# Allegro board 1155000-zp-dic_pda_8ch_board_v002.brd (continued)
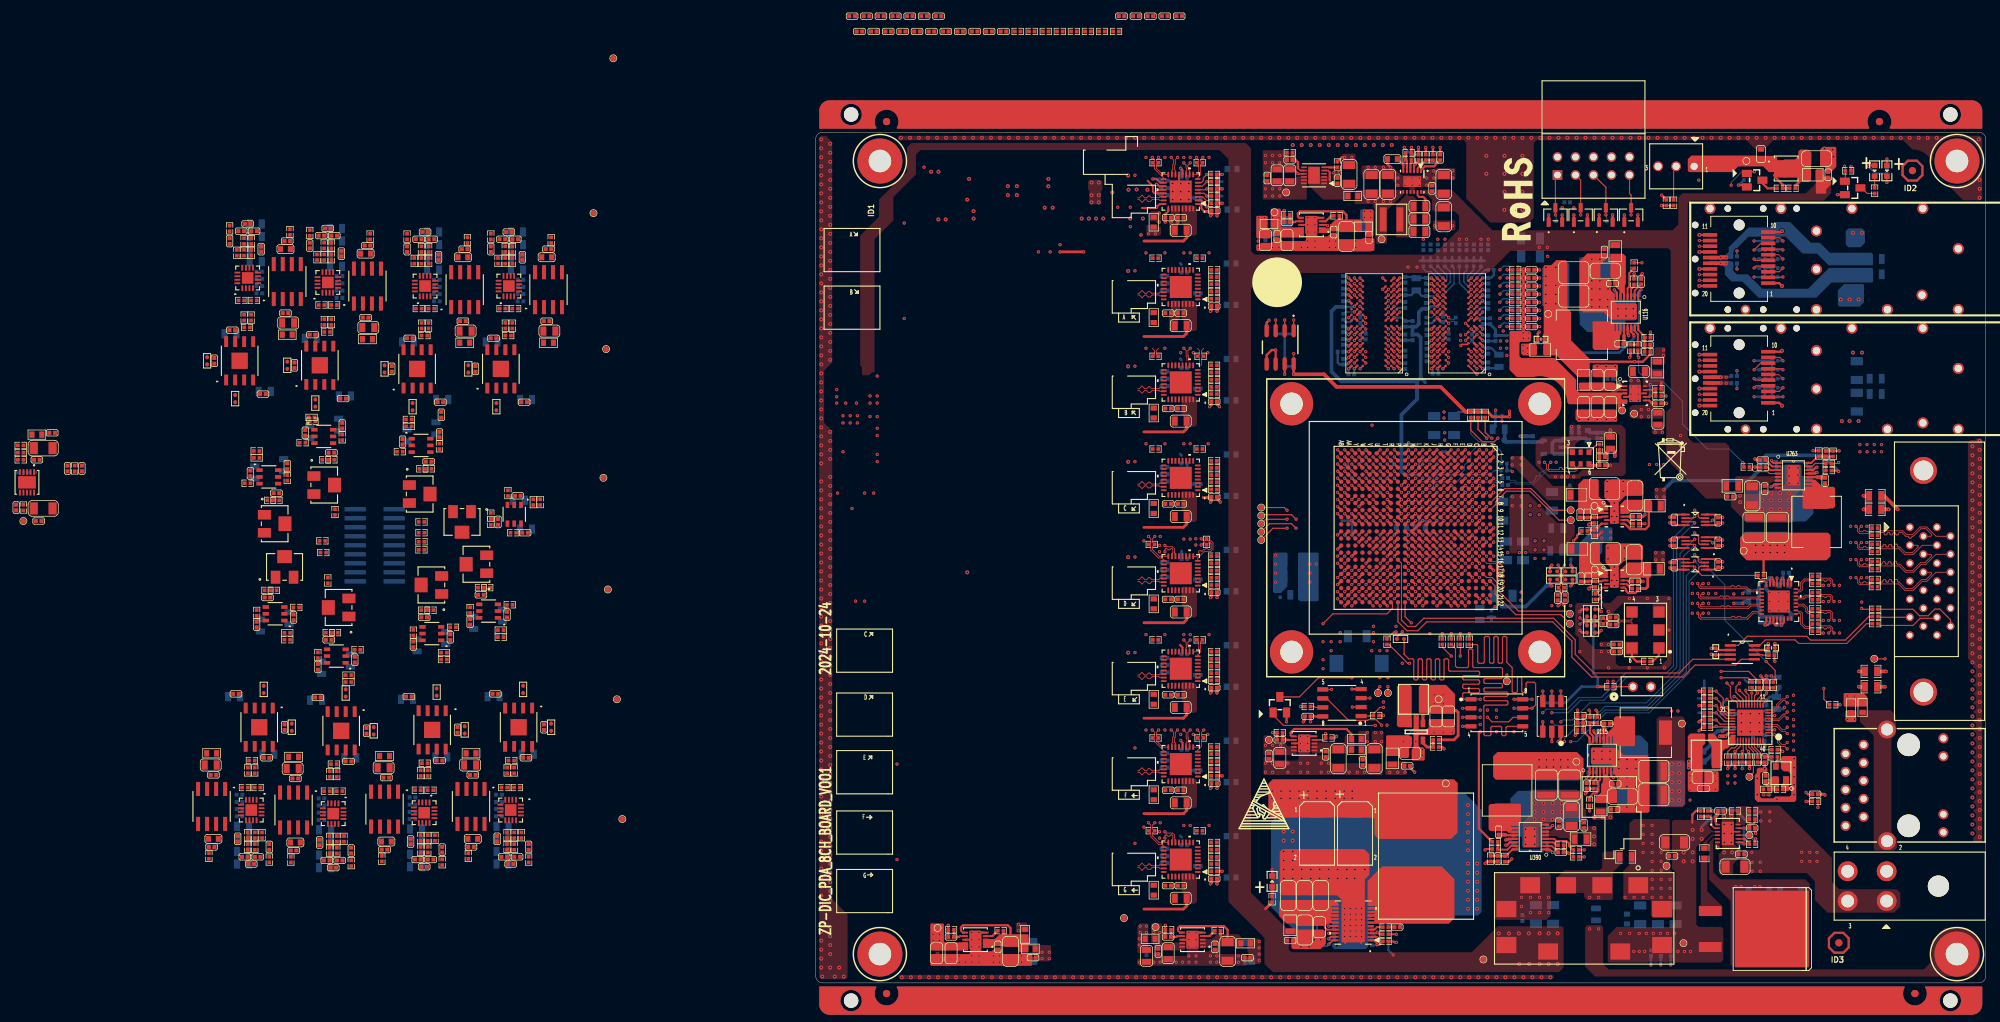
[diagram p0: board, top side]
## Routing (per net, layer and track width the routed paths; a pad name or vN(x,y) marks a point on that pad's centre or on a via; arc(x,y) is an arc through that point) (continued)
DDR3_A_D19: length 27.1
  TOP w0.203: U76.F8 v1(87.65,90.64) ; U1.R2 v1(80.6,74.19)
  ART08 w0.102: v1(87.65,90.64) 87.25,90.24 87.25,86.34
  ART08 w0.165: v1(80.6,74.19) 81.07,74.66 81.07,75.26 81.45,75.64 82.45,75.64 83.78,76.97 83.78,77.88 83.94,78.04 85.3,78.04 85.47,78.21 85.47,78.54 85.3,78.7 83.94,78.7 83.78,78.87 83.78,79.2 83.94,79.36 85.3,79.36 85.47,79.53 85.47,79.86 84.83,80.5 84.83,82.57 84.99,82.74 85.64,82.74 85.8,82.9 85.8,83.23 85.64,83.4 84.99,83.4 84.83,83.56 84.83,83.92 87.25,86.34
DDR3_A_D20: length 28
  TOP w0.203: U76.H3 v1(91.65,93.04) ; U1.P2 v1(81.6,74.19)
  ART08 w0.165: v1(81.6,74.19) 82.03,74.62 83.63,74.62 84.17,75.16 84.17,75.36 84.63,75.82 84.76,75.82 86.41,77.47 86.41,78.74 87.6,79.94 87.6,81.62 87.77,81.78 87.99,81.78 88.16,81.95 88.16,82.28 87.99,82.44 87.77,82.44 87.6,82.61 87.6,82.94 87.77,83.1 87.99,83.1 88.16,83.27 88.16,83.6 87.99,83.76 87.77,83.76 87.6,83.93 87.6,84.2 88.01,84.62 88.01,85.6 89.68,87.26 89.68,89.39 89.3,89.76 89.3,90.6 89.14,90.77 89.08,90.77 88.91,90.93 88.91,91.26 89.08,91.43 89.14,91.43 90.75,93.04 v1(91.65,93.04)
DDR3_A_D21: length 25.3
  TOP w0.203: U76.H8 v1(87.65,92.24) ; U1.U1 v1(79.6,75.19)
  ART08 w0.165: v1(79.6,75.19) 79.6,75.62 82.26,78.27 82.26,79.82 82.8,80.36 82.8,88.8 83.59,89.59 83.59,89.83 83.13,90.29 83.13,90.52 83.36,90.76 83.59,90.76 84.06,90.29 84.29,90.29 84.72,90.73 84.72,90.96 84.52,91.16 84.52,91.39 84.76,91.63 84.99,91.63 85.19,91.43 85.42,91.43 86.67,92.67 87.22,92.67 v1(87.65,92.24)
DDR3_A_D22: length 29.1
  TOP w0.203: U76.G2 v1(92.45,92.24) ; U1.R3 v1(80.6,73.19)
  ART08 w0.165: v1(80.6,73.19) 81.15,72.64 82.6,72.64 83.1,73.15 83.1,73.43 83.33,73.66 83.67,73.66 84.13,74.12 84.13,74.48 84.31,74.66 84.67,74.66 85.18,75.17 85.18,75.37 86.88,77.07 86.88,78.55 88.08,79.76 88.08,80.62 88.74,81.28 88.74,85.87 90,87.13 90,89.71 89.76,89.94 89.76,91.52 90.75,92.51 92.18,92.51 v1(92.45,92.24)
DDR3_A_D23: length 29.2
  TOP w0.203: U76.H7 v1(88.45,92.24) ; U1.T3 v1(79.6,73.19)
  ART08 w0.102: v1(88.45,92.24) 88.45,91.96 88.33,91.84 86.64,91.84
  ART08 w0.165: v1(79.6,73.19) 80.11,73.7 80.11,75.3 82.77,77.96 82.77,79.52 83.27,80.01 83.27,86.83 83.43,87 84.45,87 84.61,87.16 84.61,87.49 84.45,87.66 83.43,87.66 83.27,87.82 83.27,88.47 83.52,88.73 83.76,88.73 84.32,88.17 84.55,88.17 84.79,88.4 84.79,88.63 84.22,89.2 84.22,89.43 86.64,91.84
DDR3_A_D24: length 20.5
  TOP w0.203: U76.D7 v1(88.45,89.04) ; U1.N2 v1(83.6,74.19)
  ART03 w0.102: 88.05,86.43 88.05,87.75 88.15,87.85 88.75,87.85 88.85,87.95 88.85,88.16 88.75,88.26 88.15,88.26 88.05,88.36 88.05,88.64 v1(88.45,89.04)
  ART03 w0.165: 88.05,86.43 88.54,85.94 88.54,82.55 87.35,81.36 87.35,79.87 84.03,76.55 84.03,75.93 83.86,75.77 83.42,75.77 83.18,75.53 83.18,75.01 83.6,74.58 v1(83.6,74.19)
DDR3_A_D25: length 18.4
  TOP w0.203: U1.L1 v1(85.6,75.19) ; U76.C3 v1(92.45,88.24)
  ART03 w0.102: 92.38,87.01 92.41,87.04 92.61,87.04 92.85,87.27 92.85,88.14 92.75,88.24 v1(92.45,88.24)
  ART03 w0.165: 92.38,87.01 92.37,87.01 91.88,86.52 91.88,84.71 91.99,84.59 91.99,82.03 89.94,79.98 89.94,79.15 88.89,78.1 88.56,78.1 86.81,76.35 86.31,76.35 85.6,75.64 v1(85.6,75.19)
DDR3_A_D26: length 25.2
  TOP w0.203: U1.L5 v1(85.6,71.19) ; U76.C8 v1(87.65,88.24)
  ART03 w0.102: v1(87.65,88.24) 87.25,88.64 86.48,88.64
  ART03 w0.165: v1(85.6,71.19) 85.21,71.19 84.63,71.77 84.43,71.77 84.07,72.12 84.07,72.33 83.68,72.72 83.48,72.72 82.63,73.56 82.63,76.49 86.34,80.2 86.34,83.71 86.51,83.87 86.57,83.87 86.74,84.04 86.74,84.37 86.57,84.53 86.51,84.53 86.34,84.7 86.34,85.03 86.51,85.19 86.57,85.19 86.74,85.36 86.74,85.69 86.57,85.85 86.51,85.85 85.46,86.9 85.46,88.21 85.89,88.64 86.48,88.64
DDR3_A_D27: length 22.5
  TOP w0.203: U1.L3 v1(85.6,73.19) ; U76.C2 v1(93.25,88.24)
  ART03 w0.102: 92.8,86.75 93.08,87.04 93.41,87.04 93.65,87.27 93.65,87.61 93.25,88.01 v1(93.25,88.24)
  ART03 w0.165: v1(85.6,73.19) 86.1,73.69 86.1,75.41 86.77,76.07 87.47,76.07 88.49,77.09 89.81,77.09 90.55,77.83 90.55,79.92 92.46,81.83 92.46,82.63 92.62,82.8 92.76,82.8 92.92,82.96 92.92,83.29 92.76,83.46 92.62,83.46 92.46,83.62 92.46,83.95 92.62,84.12 92.77,84.12 92.93,84.28 92.93,84.61 92.77,84.78 92.62,84.78 92.46,84.94 92.46,85.1 92.35,85.22 92.35,86.54 92.56,86.75 92.8,86.75
DDR3_A_D28: length 22.4
  TOP w0.203: U76.A7 v1(88.45,86.64) ; U1.M3 v1(84.6,73.19)
  ART03 w0.165: v1(88.45,86.64) 88.45,86.88 88.61,87.05 88.9,87.05 89.2,86.74 89.58,86.74 89.79,86.95 90.02,86.95 90.19,86.78 90.19,86.04 90.02,85.87 89.58,85.87 89.42,85.71 89.42,85.38 89.58,85.21 90.07,85.21 90.23,85.05 90.23,84.49 89.96,84.22 89.96,82.67 89.8,82.51 89.14,82.51 88.97,82.34 88.97,82.02 89.07,81.92 89.07,81.64 88.91,81.48 88.67,81.48 88.52,81.63 88.28,81.63 88.05,81.4 88.05,81.17 88.22,81 88.22,80.76 87.82,80.36 87.82,79.68 84.5,76.36 84.5,75.82 84.03,75.34 84.03,74 84.6,73.43 v1(84.6,73.19)
DDR3_A_D29: length 20.2
  TOP w0.203: U76.A2 v1(93.25,86.64) ; U1.K1 v1(86.6,75.19)
  ART03 w0.165: v1(86.6,75.19) 86.6,75.53 86.77,75.69 87.9,75.69 88.36,76.16 89.56,76.16 91.02,77.61 91.02,78.14 91.18,78.3 91.32,78.3 91.49,78.47 91.49,78.8 91.32,78.96 91.18,78.96 91.02,79.13 91.02,79.46 91.42,79.86 91.42,80.12 91.75,80.46 92.02,80.46 92.35,80.79 92.35,81.06 92.69,81.39 92.95,81.39 93.39,81.83 93.39,82.73 93.56,82.9 93.93,82.9 94.09,83.06 94.09,83.39 93.93,83.56 93.56,83.56 93.39,83.72 93.39,84.05 93.56,84.22 93.93,84.22 94.09,84.38 94.09,84.71 93.93,84.88 93.56,84.88 92.82,85.62 92.82,86.21 v1(93.25,86.64)
DDR3_A_D30: length 21.7
  TOP w0.203: U76.B8 v1(87.65,87.44) ; U1.N3 v1(83.6,73.19)
  ART03 w0.102: 86.44,88.06 86.66,87.84 87.11,87.84 87.24,87.97 87.35,87.97 87.65,87.67 v1(87.65,87.44)
  ART03 w0.165: v1(83.6,73.19) 83.75,73.34 83.75,73.57 83.58,73.74 83.12,73.74 82.91,73.95 82.91,76.1 86.81,80 86.81,81.82 87.55,82.56 87.55,85.59 86.93,86.21 86.67,86.21 85.82,87.06 85.82,87.67 86.21,88.06 86.44,88.06
DDR3_A_D31: length 20.5
  TOP w0.203: v1(93.25,85.86) 93.23,85.86 U76.A3 ; U1.K2 v1(86.6,74.19)
  ART03 w0.165: v1(86.6,74.19) 86.6,74.49 86.88,74.77 87.89,74.77 88.75,75.62 89.74,75.62 91.96,77.84 91.96,79.73 94.56,82.33 94.56,84.91 94.41,85.06 94.41,85.42 94.63,85.65 94.63,85.88 94.4,86.12 94.16,86.12 93.7,85.65 93.46,85.65 v1(93.25,85.86)
DDR3_A_DM0: length 21.7
  TOP w0.203: U75.E7 v1(76.76,89.84) ; U1.AB1 v1(73.6,75.19)
  ART08 w0.102: 74.72,90.24 76.36,90.24 v1(76.76,89.84)
  ART08 w0.165: v1(73.6,75.19) 72.89,75.91 72.89,76.14 73.06,76.31 73.1,76.31 73.26,76.47 73.26,76.8 73.1,76.97 72.93,76.97 72.77,77.13 72.77,78.86 73.02,79.11 73.02,84.81 73.68,85.47 73.73,85.47 73.73,86.82 73.9,86.99 74.56,86.99 74.72,87.15 74.72,87.48 74.56,87.65 73.9,87.65 73.73,87.81 73.73,88.18 74.56,89.01 74.56,90.08 74.72,90.24
DDR3_A_DM1: length 23.5
  TOP w0.203: U1.U3 v1(78.6,73.19) ; U75.D3 v1(80.76,89.04)
  ART03 w0.165: v1(78.6,73.19) 78.6,73.55 79.04,73.99 79.04,74.42 78.76,74.7 78.76,76.21 80.57,78.02 80.57,79.63 80.74,79.79 81.29,79.79 81.45,79.96 81.45,80.29 81.29,80.45 80.74,80.45 80.57,80.62 80.57,80.83 81,81.26 81.43,81.26 81.59,81.43 81.59,82.25 81.76,82.42 82.05,82.42 82.22,82.58 82.22,82.91 82.05,83.08 81.76,83.08 81.59,83.24 81.59,83.49 81.76,83.65 82.3,83.65 82.47,83.82 82.47,84.15 82.3,84.31 81.76,84.31 79.87,86.21 79.87,88.14 v1(80.76,89.04)
DDR3_A_DM2: length 25.9
  TOP w0.203: U76.E7 v1(88.45,89.84) ; U1.P1 v1(81.6,75.19)
  ART08 w0.102: 88.05,86.43 88.05,89.44 v1(88.45,89.84)
  ART08 w0.165: 88.05,86.43 87.22,85.6 87.22,85.37 87.54,85.05 87.54,84.81 87.31,84.58 87.08,84.58 86.75,84.9 86.48,84.9 86.09,84.51 86.09,84.28 86.66,83.7 86.66,83.47 87.09,83.04 87.09,82.12 86.93,81.96 85.81,81.96 85.43,81.58 85.43,80.91 85.72,80.63 86.97,80.63 87.13,80.46 87.13,80.13 86.97,79.97 86.1,79.97 85.94,79.8 85.94,77.66 85.1,76.83 84.87,76.83 84.7,76.99 84.47,76.99 84.23,76.76 84.23,76.53 84.4,76.36 84.4,76.12 84.04,75.77 83.58,75.77 83,75.19 v1(81.6,75.19)
DDR3_A_DM3: length 23.4
  TOP w0.203: U76.D3 v1(92.45,89.04) ; U1.K3 v1(86.6,73.19)
  ART03 w0.102: v1(92.45,89.04) 92.85,88.64 93.41,88.64 93.65,88.41 93.65,88.07 93.88,87.84 94.21,87.84 94.61,87.44
  ART03 w0.165: v1(86.6,73.19) 87.1,73.69 87.7,73.69 88.1,74.09 88.1,74.34 88.45,74.69 89.71,74.69 90.1,75.09 90.1,75.3 92.47,77.67 92.47,79.58 95.12,82.23 95.12,86.93 94.61,87.44
DDR3_A_DQS0_N: length 24.4
  TOP w0.165: U1.Y2 v1(75.6,74.19) ; U75.G3 v1(80.76,91.44)
  ART08 w0.102: 75.89,74.01 76.01,74.13 76.01,75.28 76,75.29 76,75.46 76.04,75.5 76.04,75.51 76.06,75.53
  ART08 w0.114: v1(80.76,91.44) 80.47,91.15 80.47,91.08 79.99,90.6 79.99,88.25 79.11,87.37 79.11,86.9 79.35,86.66 80.02,86.66 80.14,86.55 80.14,86.09 80.02,85.97 79.35,85.97 79.11,85.73 79.11,84.65 78.85,84.39 78.26,84.39 77.47,83.59 77.47,83.18 77.71,82.94 77.9,82.94 78.01,82.83 78.01,82.37 77.9,82.26 77.71,82.26 77.47,82.02 77.47,81.38 77.71,81.14 77.9,81.14 78.01,81.03 78.01,80.57 77.9,80.45 77.71,80.45 77.47,80.21 77.47,76.94 76.06,75.53 ; v1(75.6,74.19) 75.78,74.01 75.89,74.01
DDR3_A_DQS0_P: length 24.5
  TOP w0.165: U75.F3 v1(80.76,90.64) ; U1.Y3 v1(75.6,73.19)
  ART08 w0.102: 76.21,75.37 76.21,73.8
  ART08 w0.114: v1(80.76,90.64) 80.63,90.77 80.47,90.77 80.21,90.51 80.21,88.16 79.33,87.28 79.33,86.99 79.44,86.88 80.11,86.88 80.35,86.64 80.35,86 80.11,85.76 79.44,85.76 79.33,85.64 79.33,84.56 78.94,84.17 78.35,84.17 77.68,83.5 77.68,83.27 77.8,83.16 77.99,83.16 78.23,82.92 78.23,82.28 77.99,82.04 77.8,82.04 77.68,81.93 77.68,81.47 77.8,81.36 77.99,81.36 78.23,81.12 78.23,80.48 77.99,80.24 77.8,80.24 77.68,80.12 77.68,76.85 76.21,75.37 ; 76.21,73.8 v1(75.6,73.19)
DDR3_A_DQS1_N: length 21.1
  TOP w0.165: v1(77.56,87.44) U75.B7 ; U1.V2 v1(77.6,74.19)
  ART03 w0.114: v1(77.6,74.19) 78.06,74.65 78.06,75.73 77.87,75.92 77.87,76.23 78.06,76.42 78.06,76.73 78.24,76.91 78.24,77.2 78.42,77.38 78.71,77.38 78.93,77.6 78.93,77.76 78.89,77.79 78.89,77.96 79.05,78.12 79.22,78.12 79.25,78.08 79.41,78.08 79.71,78.38 79.71,81.81 79.95,82.05 80.62,82.05 80.73,82.17 80.73,82.63 80.62,82.74 79.95,82.74 79.71,82.98 79.71,83.48 79.95,83.72 80.36,83.72 80.48,83.84 80.48,84.29 80.36,84.41 79.95,84.41 79.71,84.65 79.71,84.9 79.07,85.54 79.07,85.99 79.17,86.09 79.17,86.65 78.96,86.86 78.96,87.2 79.08,87.33 79.08,87.49 78.92,87.65 78.76,87.65 78.63,87.53 78.29,87.53 78.09,87.73 77.85,87.73 v1(77.56,87.44)
DDR3_A_DQS1_P: length 20.8
  TOP w0.165: v1(77.56,88.24) U75.C7 ; U1.U2 v1(78.6,74.19)
  ART03 w0.114: v1(78.6,74.19) 78.28,74.52 78.28,76.64 79.93,78.29 79.93,81.72 80.04,81.84 80.71,81.84 80.95,82.08 80.95,82.72 80.71,82.96 80.04,82.96 79.93,83.07 79.93,83.39 80.04,83.51 80.45,83.51 80.69,83.75 80.69,84.38 80.45,84.62 80.04,84.62 79.93,84.74 79.93,84.99 79.28,85.63 79.28,85.9 79.38,86 79.38,86.74 79.17,86.95 79.17,87.11 79.3,87.24 79.3,87.58 79.01,87.87 78.67,87.87 78.54,87.74 78.38,87.74 78.18,87.95 77.85,87.95 v1(77.56,88.24)
DDR3_A_DQS2_N: length 30.6
  TOP w0.165: U1.N4 v1(83.6,71.19) ; U76.G3 v1(91.65,91.44)
  ART08 w0.102: 84.24,70.59 84.25,70.57 84.27,70.58 84.34,70.59 86.84,70.59 87.21,70.95 87.21,71.36 87.44,71.59 87.91,71.59 88.21,71.88 88.21,75.36
  ART08 w0.114: v1(91.65,91.44) 91.94,91.15 92.19,91.15 92.43,90.91 92.43,89.97 91.94,89.48 91.94,85.57 91.61,85.24 91.61,84.82 91.72,84.71 92.34,84.71 92.58,84.47 92.58,83.83 92.34,83.59 91.72,83.59 91.61,83.48 91.61,78.35 88.87,75.62 88.46,75.62 88.21,75.36 ; v1(83.6,71.19) 83.88,71.19 84,71.07 84,70.83 84.24,70.59
DDR3_A_DQS2_P: length 30.8
  TOP w0.165: U1.M5 v1(84.6,71.19) ; U76.F3 v1(91.65,90.64)
  ART08 w0.102: 84.33,70.81 84.34,70.79 86.76,70.79 87.01,71.04 87.01,71.44 87.36,71.79 87.83,71.79 88.01,71.97 88.01,75.27 88,75.28 88,75.45 88.04,75.49 88.04,75.5 88.06,75.52
  ART08 w0.114: v1(84.6,71.19) 84.33,71.19 84.22,71.08 84.22,70.92 84.33,70.81 ; 88.06,75.52 88.37,75.83 88.78,75.83 89.29,76.34 89.29,76.57 89.5,76.78 89.73,76.78 90.03,77.09 90.03,77.25 90.03,77.25 90.03,77.41 90.19,77.57 90.35,77.57 90.36,77.57 90.52,77.57 90.68,77.73 90.68,77.89 90.68,77.9 90.68,78.06 90.84,78.22 91,78.22 91,78.22 91.17,78.22 91.39,78.44 91.39,82.82 91.26,82.96 91.26,83.28 91.39,83.41 91.39,83.57 91.63,83.81 92.25,83.81 92.36,83.92 92.36,84.38 92.25,84.49 91.63,84.49 91.39,84.73 91.39,85.33 91.73,85.66 91.73,86.05 91.53,86.25 91.53,86.51 91.73,86.71 91.73,86.97 91.53,87.17 91.53,87.43 91.73,87.62 91.73,87.88 91.53,88.08 91.53,88.34 91.73,88.54 91.73,88.8 91.53,88.99 91.53,89.25 91.73,89.45 91.73,89.57 92.22,90.06 92.22,90.82 92.1,90.93 91.94,90.93 v1(91.65,90.64)
DDR3_A_DQS3_N: length 19.9
  TOP w0.165: U1.M1 v1(84.6,75.19) ; v1(89.25,87.44) U76.B7
  ART03 w0.102: 86.07,76.98 86.05,76.96 86.05,76.95 86.01,76.91 86.01,76.9 85,75.9 85,74.91 84.82,74.73 84.6,74.73 84.49,74.83 84.49,75.08 v1(84.6,75.19)
  ART03 w0.114: v1(89.25,87.44) 89.25,87.64 89.42,87.82 90.12,87.82 91.01,86.92 91.01,83.93 90.9,83.82 90.85,83.82 90.61,83.58 90.61,83.17 90.85,82.93 90.9,82.93 91.01,82.81 91.01,82.28 89.07,80.34 89.07,79.51 88.64,79.07 88.16,79.07 86.07,76.98
DDR3_A_DQS3_P: length 20.6
  TOP w0.165: v1(89.25,88.24) U76.C7 ; U1.M2 v1(84.6,74.19)
  ART03 w0.102: 86.22,76.83 85.21,75.81 85.21,74.82 84.91,74.52 84.71,74.52 84.6,74.42 v1(84.6,74.19)
  ART03 w0.114: v1(89.25,88.24) 89.45,88.03 90.21,88.03 90.3,87.94 90.56,87.94 90.75,87.75 90.75,87.49 91.23,87.01 91.23,86.84 91.38,86.69 91.38,86.39 91.23,86.23 91.23,84.43 91.33,84.32 91.33,83.95 90.99,83.6 90.94,83.6 90.83,83.49 90.83,83.26 90.94,83.15 90.99,83.15 91.34,82.79 91.34,82.33 91.23,82.22 91.23,82.19 89.29,80.25 89.29,79.42 88.73,78.85 88.25,78.85 86.22,76.83
DDR3_A_ODT: length 75.2
  TOP w0.203: U75.K1 82.36,94.64 v1(82.36,94.64) ; R484.2 v1(97.48,93.73) ; U1.Y6 v1(75.6,70.19) ; U76.K1 v1(94.05,94.64)
  ART06 w0.102: 80.25,94.84 80.45,95.04 81.96,95.04 82.08,94.92 82.08,94.92 v1(82.36,94.64) 82.65,94.92 82.65,94.92 82.77,95.04 93.65,95.04 v1(94.05,94.64) 94.42,94.26 96.95,94.26 v1(97.48,93.73)
  ART06 w0.178: 80.25,94.84 79.85,94.44 79.85,86 80.41,85.45 83.36,85.45 83.54,85.27 83.54,84.91 83.36,84.74 80.41,84.74 80.23,84.56 80.23,84.2 80.41,84.03 83.36,84.03 83.54,83.85 83.54,83.49 83.36,83.31 80.97,83.31 80.8,83.14 80.8,81.43 80.97,81.25 82.39,81.25 82.57,81.08 82.57,80.72 82.39,80.54 79.9,80.54 79.73,80.37 79.73,80.01 79.9,79.83 82.39,79.83 82.57,79.65 82.57,79.3 82.39,79.12 80,79.12 79.82,78.94 79.82,78.59 80,78.41 82.39,78.41 82.57,78.23 82.57,77.87 82.39,77.7 80.41,77.7 80.04,77.32 80.04,74.96 79.75,74.68 79.4,74.68 79.12,74.4 79.12,73.99 78.79,73.66 77.46,73.66 77.14,73.33 77.14,73.05 75.82,71.73 75.38,71.73 75.13,71.48 75.13,70.67 v1(75.6,70.19)
DDR3_A_RAS_B: length 78.8
  TOP w0.203: U1.W6 v1(76.6,70.19) ; U76.J3 v1(92.45,93.84) ; R482.2 v1(97.48,92.58) ; U75.J3 v1(80.76,93.84)
  ART06 w0.102: v1(80.76,93.84) 81.16,94.24 84.31,94.24 84.42,94.34 84.42,94.44 84.52,94.54 84.72,94.54 84.82,94.44 84.82,94.34 84.92,94.24 87.42,94.24 87.42,94.24 92.04,94.24 v1(92.45,93.84) 92.85,94.24 93.56,94.24 94.76,93.04 97.03,93.04 v1(97.48,92.58)
  ART06 w0.178: v1(76.6,70.19) 76.12,70.68 76.12,71.32 77.56,72.76 82.28,72.76 83.17,73.66 83.17,75.8 83,75.98 81.49,75.98 81.32,76.16 81.32,76.51 81.49,76.69 83,76.69 83.17,76.87 83.17,77.36 83.18,77.37 83.18,77.55 83.36,77.72 86.1,77.72 86.28,77.9 86.28,78.26 86.1,78.44 83.36,78.44 83.18,78.61 83.18,78.97 83.36,79.15 86.1,79.15 86.28,79.32 86.28,79.68 86.1,79.86 83.36,79.86 83.18,80.04 83.18,80.39 83.36,80.57 86.1,80.57 86.28,80.75 86.28,81.1 86.1,81.28 83.36,81.28 83.18,81.46 83.18,81.84 84.49,83.15 84.49,84.47 84.67,84.65 86.18,84.65 86.36,84.82 86.36,85.18 86.18,85.36 84.67,85.36 83.92,86.11 80.68,86.11 80.18,86.6 80.18,93.26 v1(80.76,93.84)
DDR3_A_RESET_B: length 71.4
  TOP w0.203: U76.T2 v1(93.25,99.44) ; U75.T2 v1(81.56,99.44) ; U1.W12 v1(76.6,63.19)
  ART06 w0.178: v1(93.25,99.44) 92.76,99.92 82.05,99.92 v1(81.56,99.44)
  ART08 w0.102: 77.52,98.93 77.41,99.04 74.62,99.04
  ART08 w0.165: v1(81.56,99.44) 80.82,99.44 80.31,98.93 77.52,98.93 ; 74.62,99.04 73.78,99.04 64.11,89.36 64.11,71.57 71.62,64.06 75.74,64.06 v1(76.6,63.19)
  BOTTOM w0.203: v1(93.25,99.44) 94.39,100.58 R8.1
DDR3_A_S0_B: length 73.2
  TOP w0.203: U75.L2 v1(81.56,95.44) ; U1.AA5 v1(74.6,71.19) ; U76.L2 v1(93.25,95.44) ; R479.2 v1(97.5,97.16)
  ART06 w0.102: 80.41,95.84 81.16,95.84 v1(81.56,95.44) 81.96,95.84 84.43,95.84 84.53,95.94 84.53,96.06 84.64,96.16 84.84,96.16 84.94,96.06 84.94,95.94 85.04,95.84 92.85,95.84 v1(93.25,95.44) 94.45,95.44 95.65,96.64 96.99,96.64 v1(97.5,97.16)
  ART06 w0.178: v1(74.6,71.19) 74.6,71.51 75.1,72.01 75.1,72.3 75.43,72.62 75.85,72.62 76.04,72.81 76.04,73.45 76.35,73.76 76.78,73.76 77.04,74.01 77.04,74.45 77.26,74.68 78.79,74.68 79.17,75.06 79.17,75.73 78.99,75.91 77.75,75.91 77.57,76.09 77.57,76.44 77.75,76.62 78.99,76.62 79.17,76.8 79.17,77.15 78.99,77.33 77.75,77.33 77.57,77.51 77.57,77.86 77.75,78.04 78.99,78.04 79.17,78.22 79.17,79.26 78.99,79.43 77.72,79.43 77.54,79.61 77.54,79.97 77.72,80.15 78.99,80.15 79.17,80.32 79.17,80.68 78.99,80.86 77.72,80.86 77.54,81.03 77.54,81.39 77.72,81.57 78.99,81.57 79.52,82.1 79.52,82.66 79.35,82.84 77.79,82.84 77.62,83.02 77.62,83.43 77.79,83.61 79.57,83.61 79.75,83.79 79.75,84.15 79.57,84.32 77.79,84.32 77.62,84.5 77.62,84.93 77.79,85.11 79.35,85.11 79.52,85.29 79.52,85.7 79.35,85.88 77.94,85.88 77.76,86.06 77.76,86.41 77.94,86.59 79.35,86.59 79.52,86.77 79.52,86.94 79.35,87.12 78.53,87.12 78.36,87.29 78.36,87.65 78.53,87.83 79.35,87.83 79.52,88.01 79.52,94.95 80.41,95.84
DDR3_A_WE_B: length 81.6
  TOP w0.203: U76.L3 v1(92.45,95.44) ; U1.U7 v1(78.6,69.19) ; U75.L3 v1(80.76,95.44)
  ART08 w0.102: 74.85,95.84 78.14,95.84 78.54,95.44 v1(80.76,95.44) 81.16,95.04 83.84,95.04 83.94,94.94 83.94,94.87 84.04,94.76 84.24,94.76 84.35,94.87 84.35,94.94 84.45,95.04 U76.L3 v1(92.45,95.44) 92.85,95.04 94.45,95.04 95.76,93.73 v1(96.47,93.73)
  ART08 w0.165: 74.85,95.84 73.28,95.84 68.8,91.36 68.8,91 68.97,90.83 69.45,90.83 69.62,90.67 69.62,90.33 69.45,90.17 68.97,90.17 68.8,90 68.8,89.55 66.57,87.32 66.57,85.22 66.74,85.05 68.5,85.05 70.47,83.08 70.47,80.3 68.5,78.33 66.54,78.33 66.1,77.89 66.1,77.42 66.26,77.26 67.19,77.26 67.35,77.09 67.35,76.76 67.19,76.6 66.26,76.6 66.1,76.43 66.1,76.1 66.26,75.94 67.19,75.94 67.35,75.77 67.35,75.44 67.19,75.28 66.26,75.28 66.1,75.11 66.1,72.32 70.75,67.67 77.69,67.67 78.18,68.15 78.18,68.43 78.6,68.85 v1(78.6,69.19)
  BOTTOM w0.203: v1(96.47,93.73) 96.98,94.23 97.74,94.23 R480.2
EEPROM_CS_B: length 22.7
  TOP w0.152: v1(80.06,38.86) 79.57,38.86 78.64,37.93 R2152.2 78.11,37.72 78.02,37.64 U273.1 ; U1.M20 v1(84.6,55.19)
  ART08 w0.102: v1(80.06,38.86) 81.33,40.13 81.33,42.16 81.71,42.54 81.71,47.75 83.16,49.2 83.16,51.23 83.69,51.77 83.69,53.29 84.21,53.81 84.21,54.57 84.6,54.97 v1(84.6,55.19)
EEPROM_SCK: length 30.5
  TOP w0.152: U1.L21 v1(84.61,54.19) ; v1(79.8,36.35) 79.01,37.13 77.92,37.13 77.82,37.03 75.15,37.03 72.06,40.13 U273.6
  ART08 w0.102: v1(84.61,54.19) 84.61,53.8 84.07,53.26 84.07,51.54 83.56,51.03 83.56,48.97 82.22,47.63 82.22,42.04 81.83,41.66 81.83,38.38 v1(79.8,36.35)
EEPROM_SI: length 21.5
  TOP w0.152: U1.R18 v1(80.6,57.19) ; U273.5 v1(72.75,41.4)
  ART08 w0.102: v1(72.75,41.4) 74.55,43.2 74.55,48.36 78.06,51.88 78.9,51.88 80,52.98 80,56.59 v1(80.6,57.19)
EEPROM_SO: length 22.4
  TOP w0.152: U1.R19 v1(80.6,56.19) ; U273.2 v1(75.68,38.91)
  ART08 w0.102: v1(75.68,38.91) 74.82,39.76 74.82,48.18 78.2,51.56 78.99,51.56 80.21,52.78 80.21,55.8 v1(80.6,56.19)
EEPROM_WP_B: length 21.1
  TOP w0.152: U1.P19 v1(81.6,56.19) ; U273.3 v1(78.15,40.18)
  ART08 w0.102: v1(81.6,56.19) 81,55.59 81,53.79 81.33,53.47 81.33,52.88 79.24,50.8 78.36,50.8 77.01,49.45 77.01,43.05 78.15,41.91 v1(78.15,40.18)
FAN_FG: length 91.6
  TOP w0.152: v1(119.27,109.66) R1928.2 R1929.2 ; U1.N20 v1(83.6,56.19)
  ART03 w0.102: v1(121.97,77.22) 121.59,77.6 121.59,101.47 119.27,103.79 v1(119.27,109.66)
  ART08 w0.102: v1(83.6,56.19) 82.9,56.9 82.9,58.58 82.6,58.89 82.6,62.87 83.74,64.01 86.15,64.01 87.1,64.96 87.1,65.34 87.46,65.69 87.84,65.69 88.1,65.96 88.1,66.47 88.33,66.69 88.84,66.69 89.1,66.96 89.1,68.48 89.31,68.69 91.66,68.69 92.12,69.15 92.12,69.6 92.25,69.72 92.88,69.72 93.14,69.98 93.14,70.49 93.39,70.74 93.9,70.74 94.15,70.99 94.15,71.37 94.41,71.63 99.87,71.63 101.14,72.9 104.57,72.9 105.2,73.53 105.2,75.31 105.96,76.07 120.82,76.07 v1(121.97,77.22)
FPGA_CCLK_R: length 28.7
  TOP w0.152: U1.G7 v1(89.6,69.19) ; R507.1 81.56,49.53 v1(81.83,49.53)
  ART08 w0.102: v1(89.6,69.19) 89.31,69.19 88.82,68.71 87.42,68.71 87.17,68.45 87.17,66.04 86.91,65.79 86.41,65.79 86.1,65.48 86.1,64.85 85.77,64.52 83.36,64.52 82.22,63.37 82.22,58.9 82.6,58.51 82.6,56.51 83.05,56.06 83.05,51.99 82.34,51.28 82.34,50.04 v1(81.83,49.53)
FPGA_CONFIG_D0_R: length 10.1
  TOP w0.152: U1.H18 v1(88.6,57.19) ; v1(89.63,49.28) R503.1
  ART08 w0.102: v1(89.63,49.28) 89.63,50.37 88.39,51.61 88.39,53.8 88.21,53.98 88.21,56.54 88.6,56.94 v1(88.6,57.19)
FPGA_CONFIG_D1_R: length 8.7
  TOP w0.152: R505.1 v1(88.36,49.28) ; U1.H19 v1(87.61,56.19)
  ART08 w0.102: v1(87.61,56.19) 88,55.8 88,51.24 88.36,50.88 v1(88.36,49.28)
FPGA_CONFIG_D2_R: length 10.6
  TOP w0.152: v1(90.9,49.28) R509.1 ; U1.G18 v1(89.6,57.19)
  ART08 w0.102: v1(90.9,49.28) 90.9,49.81 88.82,51.89 88.82,53.7 89,53.88 89,56.57 89.6,57.17 v1(89.6,57.19)
FPGA_CONFIG_D3_R: length 13.1
  TOP w0.152: v1(92.17,49.28) R511.1 ; U1.F19 v1(89.61,56.19)
  ART08 w0.102: v1(92.17,49.28) 91.87,49.28 91.48,49.67 91.48,49.81 91.7,50.04 91.7,50.18 91.56,50.32 91.41,50.32 91.19,50.1 91.05,50.1 90.9,50.24 90.9,50.39 91.13,50.61 91.13,50.75 90.98,50.9 90.84,50.9 90.61,50.67 90.47,50.67 90.33,50.82 90.33,50.96 90.55,51.19 90.55,51.33 90.41,51.47 90.26,51.47 90.04,51.25 89.9,51.25 89.75,51.39 89.75,51.54 89.98,51.76 89.98,51.9 89.83,52.05 89.69,52.05 89.46,51.82 89.32,51.82 89.21,51.93 89.21,55.8 v1(89.61,56.19)
FPGA_DONE_R: length 101.8
  TOP w0.152: Q15.1 145.19,113.16 R395.2 145.19,115.08 v1(145.08,115.19) ; U1.P6 v1(82.6,69.19)
  ART03 w0.102: v1(82.6,69.19) 82.64,69.19 83.16,68.68 87.75,68.68 88.11,69.04 88.11,69.39 88.51,69.8 90.11,69.8 91.11,70.8 91.8,70.8 92,71 92,71.51 92.29,71.8 92.87,71.8 93.21,72.13 93.21,73.55 93.44,73.79 93.76,73.79 94.21,74.24 94.21,75.42 94.74,75.95 95.17,75.95 95.75,76.53 95.75,77.04 96.19,77.47 96.95,77.47 98.73,79.25 98.73,87.25 v1(97.46,88.52)
  ART08 w0.102: v1(145.08,115.19) 140.45,110.55 119.11,110.55 115.36,106.81 104.44,106.81 101.14,103.51 101.14,90.81 100.76,90.42 99.61,90.42 97.71,88.52 v1(97.46,88.52)
FPGA_INIT_B_R: length 13.2
  TOP w0.152: U1.L7 v1(85.6,69.19)
  BOTTOM w0.152: v1(85.6,69.19) 86.1,69.69 86.76,69.69 87.1,70.04 87.1,70.29 87.5,70.69 90.42,70.69 91.42,71.69 95.11,71.69 95.68,72.26 R4.2
FPGA_M0: length 26.8
  TOP w0.152: U1.H7 v1(88.6,69.19) ; R337.1 92.38,77.98 94.03,76.33 95.68,76.33 v1(96.19,76.84)
  ART03 w0.102: v1(96.19,76.84) 96.19,76.45 95.1,75.37 95.1,74.03 94.77,73.69 94.44,73.69 94.1,73.36 94.1,72.03 93.66,71.59 92.39,71.59 92.21,71.41 92.21,70.9 91.89,70.59 91.28,70.59 90.28,69.59 89.32,69.59 88.92,69.19 v1(88.6,69.19)
  BOTTOM w0.152: v1(96.19,76.84) 95.68,76.33 93.52,76.33 92.38,77.47 R337.1
FPGA_M1: length 18.4
  TOP w0.152: U1.H6 v1(88.6,70.19) ; v1(95.35,76.84) 95.25,76.84 94.41,77.67 R338.1
  ART03 w0.102: v1(88.6,70.19) 88.65,70.19 89.05,70.59 90.4,70.59 91.5,71.69 91.78,71.69 92.1,72.02 92.1,72.45 92.35,72.69 92.68,72.69 93,73.01 93,74.46 93.23,74.69 93.74,74.69 94,74.95 94,75.56 95.27,76.84 v1(95.35,76.84)
  BOTTOM w0.152: v1(95.35,76.84) 95.25,76.84 94.41,77.67 R338.1
FPGA_M2: length 18.1
  TOP w0.152: R339.1 93.39,78.08 v1(94.64,76.84) ; U1.J5 v1(87.6,71.19)
  ART03 w0.102: v1(94.64,76.84) 92.76,74.96 92.76,73.91 91.21,72.37 91.21,71.86 90.15,70.8 88,70.8 v1(87.6,71.19)
  BOTTOM w0.152: R339.1 93.39,78.08 v1(94.64,76.84)
FPGA_MASTER_CLOCK_C_N: length 41.3
  TOP w0.102: v1(107.76,50.61) 108.08,50.93 108.25,50.93 R2211.1 108.76,50.83 108.86,50.93 109.39,50.93 R2208.2 109.9,50.83 110,50.93 110.77,50.93 R2210.2 111.32,50.93 111.66,50.93 C3010.2 ; U1.G10 v1(89.6,66.19)
  ART03 w0.102: v1(107.76,50.61) 107.8,50.65 108.43,50.65 108.84,51.05 108.84,53.14 106.85,55.12 103.87,55.12 103.32,55.67 103.32,59.12 103.98,59.78 103.98,63.64 102.45,65.18 98.88,65.18 98.39,64.69 96.17,64.69 96.07,64.79 90.35,64.79 90.21,64.94 90.21,65.68 89.99,65.9 89.71,65.9 89.6,66 v1(89.6,66.19)
FPGA_MASTER_CLOCK_C_P: length 41.6
  TOP w0.102: U1.G11 v1(89.6,65.19) ; C3009.2 111.66,51.18 111.32,51.18 R2210.1 110.77,51.18 110,51.18 109.9,51.28 R2209.2 109.39,51.18 108.86,51.18 108.76,51.28 R2212.1 108.25,51.18 108.08,51.18 v1(107.76,51.5)
  ART03 w0.102: v1(89.6,65.19) 89.6,65.59 89.71,65.69 89.9,65.69 90,65.59 90,64.86 90.27,64.59 95.98,64.59 96.08,64.49 98.77,64.49 99.05,64.77 102.28,64.77 103.58,63.47 103.58,59.94 102.92,59.28 102.92,55.5 103.7,54.71 104.38,54.71 104.48,54.61 104.48,54.56 104.59,54.46 104.79,54.46 104.89,54.56 104.89,54.61 104.99,54.71 105.19,54.71 105.3,54.61 105.3,54.56 105.4,54.46 105.6,54.46 105.7,54.56 105.7,54.61 105.8,54.71 106.69,54.71 107,54.4 107,54.25 106.96,54.21 106.96,54.07 107.11,53.93 107.25,53.93 107.29,53.96 107.43,53.96 107.58,53.82 107.58,53.68 107.54,53.64 107.54,53.49 107.68,53.35 107.83,53.35 107.86,53.39 108.01,53.39 108.43,52.97 108.43,51.22 108.26,51.05 107.89,51.05 107.76,51.18 v1(107.76,51.5)
FPGA_MASTER_CLOCK_N: length 3.5
  TOP w0.102: U103.5 115.11,50.83 115.01,50.93 113.22,50.93 C3010.1
FPGA_MASTER_CLOCK_P: length 3.5
  TOP w0.102: C3009.1 113.22,51.18 115.01,51.18 115.11,51.28 U103.4